# KiCad board teensy_arena_12-12.kicad_pcb
title: 12-12 Teensy G4.1 Arena Modular LED Display; date: 2024-10-08; rev: v0.2.1; company: IORodeo for Reiserlab @ Janelia
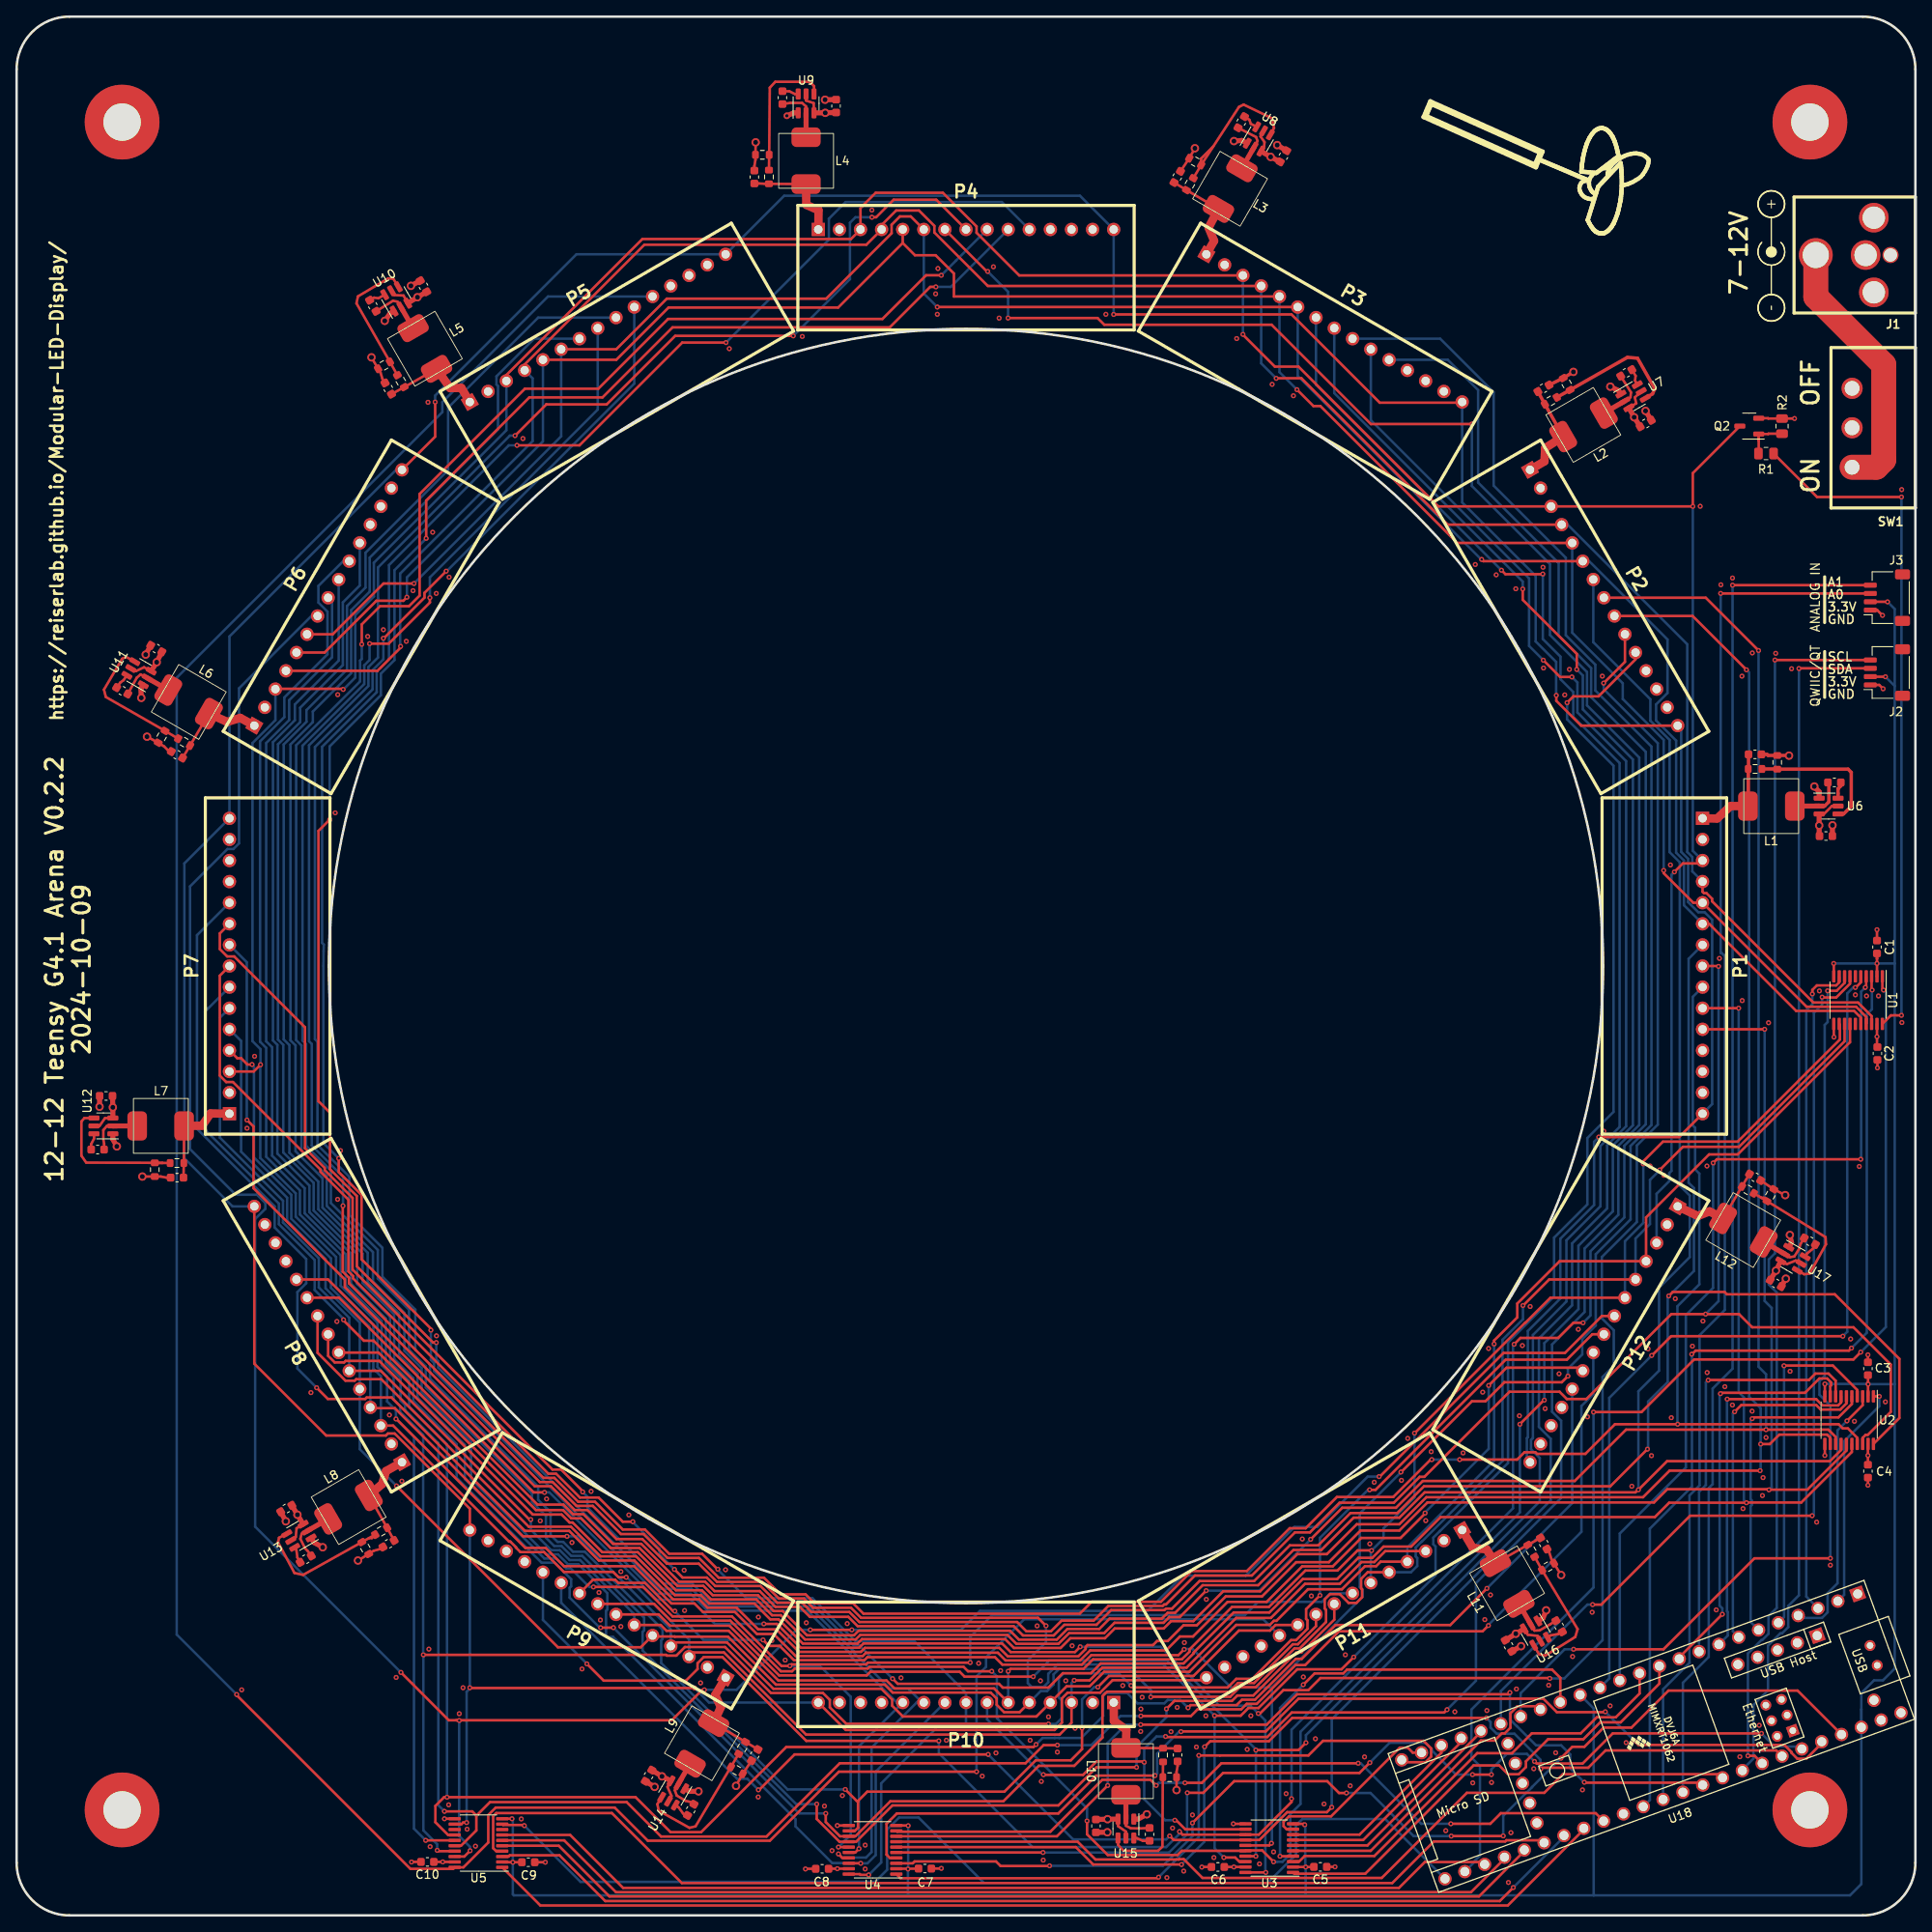
[diagram p0: board, top side]
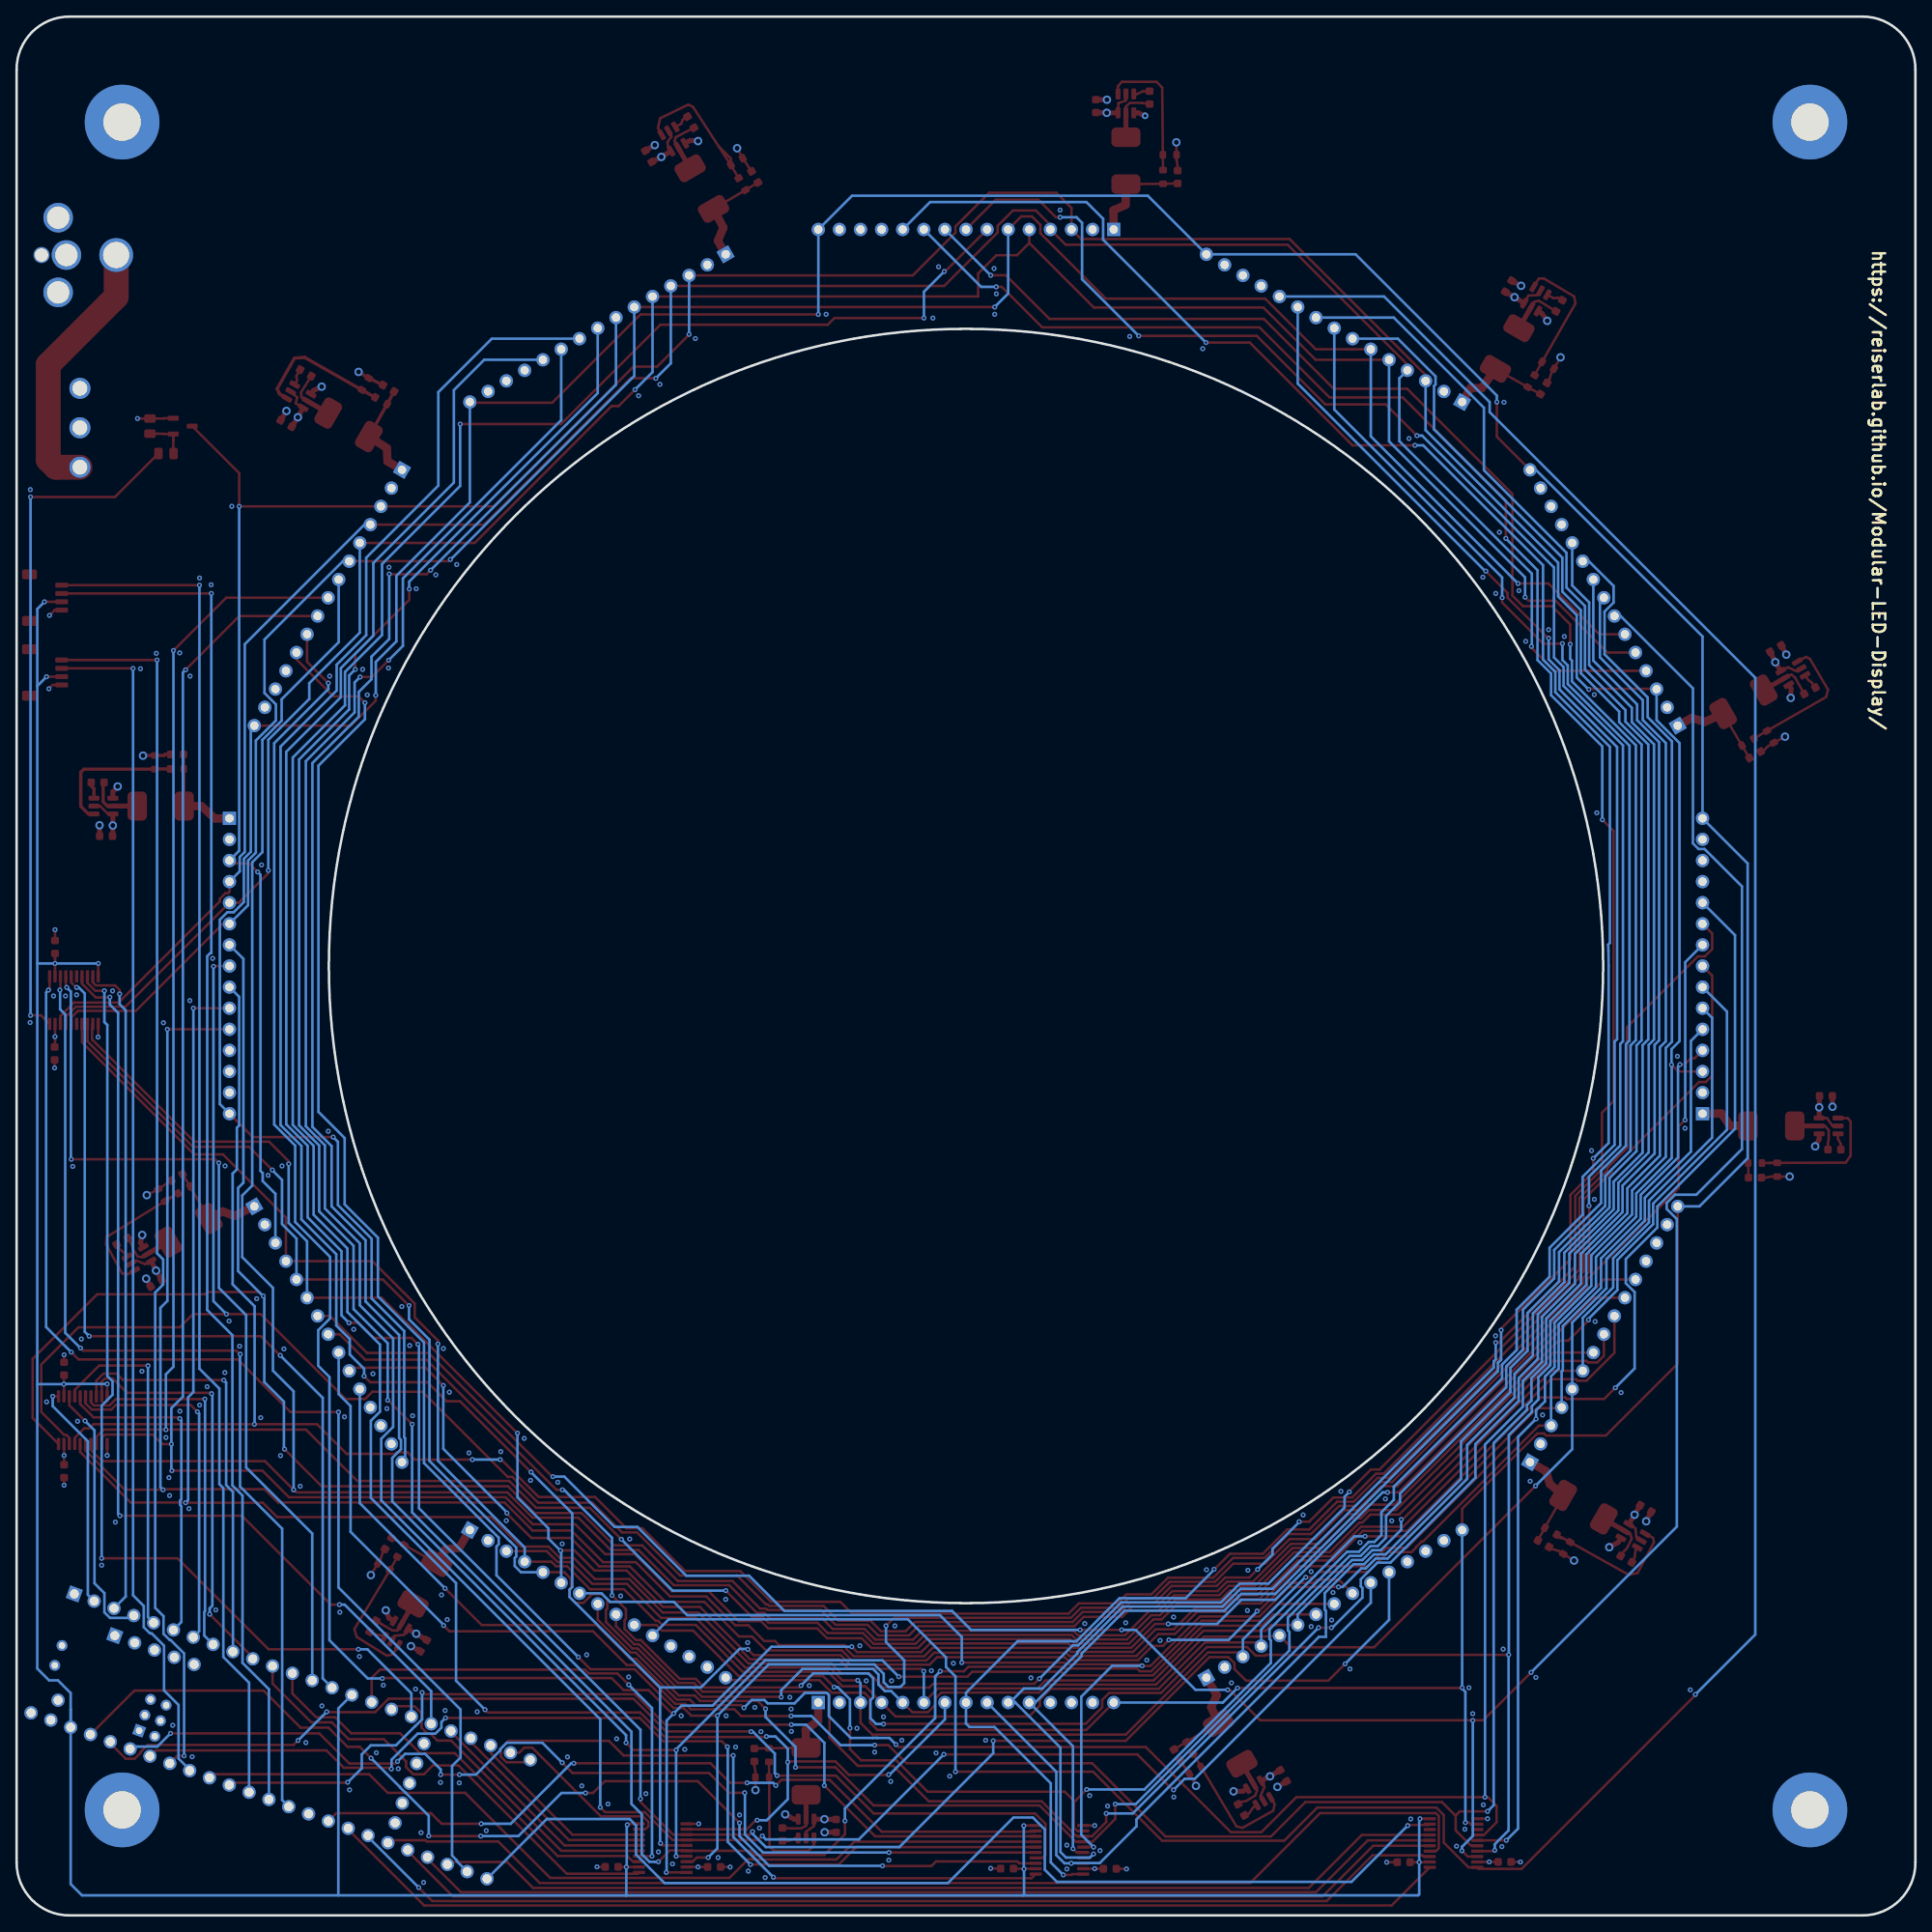
[diagram p1: board, bottom side, seen from below]

Outline 228.6 x 228.6 mm; copper layers: Top, In1.Cu (plane), In2.Cu (plane), In3.Cu (plane), In4.Cu (plane), Bottom. Coordinates in mm from the lower left corner of the outline.
Outline path: circle c114.3,114.3 r76.71 ; 0,222.25 0,6.35 arc(1.86,1.86) 6.35,0 222.25,0 arc(226.74,1.86) 228.6,6.35 228.6,222.25 arc(226.74,226.74) 222.25,228.6 6.35,228.6 arc(1.86,226.74) 0,222.25
Stack: Top 0.035mm / dielectric 0.1mm FR4 er 4.5 / In1.Cu 0.035mm / dielectric 0.535mm FR4 er 4.5 / In2.Cu 0.035mm / dielectric 0.1mm FR4 er 4.5 / In3.Cu 0.035mm / dielectric 0.535mm FR4 er 4.5 / In4.Cu 0.035mm / dielectric 0.1mm FR4 er 4.5 / Bottom 0.035mm

## Placement (name value [footprint] x y rotation side)
C1  0.1uF  [C_0603_1608Metric]  223.98 116.59 90 top
C2  0.1uF  [C_0603_1608Metric]  224.03 103.77 270 top
C3  0.1uF  [C_0603_1608Metric]  222.88 65.82 90 top
C4  0.1uF  [C_0603_1608Metric]  222.88 53.48 270 top
C5  0.1uF  [C_0603_1608Metric]  156.96 5.84 0 top
C6  0.1uF  [C_0603_1608Metric]  144.62 5.83 180 top
C7  0.1uF  [C_0603_1608Metric]  109.36 5.64 0 top
C8  0.1uF  [C_0603_1608Metric]  96.98 5.61 180 top
C9  0.1uF  [C_0603_1608Metric]  61.61 6.4 0 top
C10  0.1uF  [C_0603_1608Metric]  49.46 6.44 180 top
C11  10uF  [C_0603_1608Metric]  217.83 129.95 0 top
C12  100nF  [C_0603_1608Metric]  218.85 136.4 180 top
C13  22uF  [C_0603_1608Metric]  209.28 139.78 180 top
C14  10uF  [C_0603_1608Metric]  196.14 179.62 30 top
C15  100nF  [C_0603_1608Metric]  193.79 185.71 210 top
C16  22uF  [C_0603_1608Metric]  183.82 183.86 210 top
C17  10uF  [C_0603_1608Metric]  152.51 211.78 60 top
C18  100nF  [C_0603_1608Metric]  147.44 215.89 240 top
C19  22uF  [C_0603_1608Metric]  139.73 209.3 240 top
C20  10uF  [C_0603_1608Metric]  98.65 217.83 90 top
C21  100nF  [C_0603_1608Metric]  92.2 218.85 270 top
C22  22uF  [C_0603_1608Metric]  88.82 209.28 270 top
C23  10uF  [C_0603_1608Metric]  48.98 196.14 120 top
C24  100nF  [C_0603_1608Metric]  42.89 193.79 300 top
C25  22uF  [C_0603_1608Metric]  44.74 183.82 300 top
C26  10uF  [C_0603_1608Metric]  16.82 152.52 150 top
C27  100nF  [C_0603_1608Metric]  12.71 147.44 330 top
C28  22uF  [C_0603_1608Metric]  19.3 139.73 330 top
C29  10uF  [C_0603_1608Metric]  10.77 98.65 180 top
C30  100nF  [C_0603_1608Metric]  9.75 92.2 0 top
C31  22uF  [C_0603_1608Metric]  19.32 88.82 0 top
C32  10uF  [C_0603_1608Metric]  32.46 48.98 210 top
C33  100nF  [C_0603_1608Metric]  34.81 42.89 30 top
C34  22uF  [C_0603_1608Metric]  44.78 44.74 30 top
C35  10uF  [C_0603_1608Metric]  76.09 16.82 240 top
C36  100nF  [C_0603_1608Metric]  81.16 12.71 60 top
C37  22uF  [C_0603_1608Metric]  88.87 19.3 60 top
C38  10uF  [C_0603_1608Metric]  129.95 10.77 270 top
C39  100nF  [C_0603_1608Metric]  136.4 9.75 90 top
C40  22uF  [C_0603_1608Metric]  139.78 19.32 90 top
C41  10uF  [C_0603_1608Metric]  179.62 32.46 300 top
C42  100nF  [C_0603_1608Metric]  185.71 34.81 120 top
C43  22uF  [C_0603_1608Metric]  183.86 44.78 120 top
C44  10uF  [C_0603_1608Metric]  211.78 76.09 330 top
C45  100nF  [C_0603_1608Metric]  215.89 81.16 150 top
C46  22uF  [C_0603_1608Metric]  209.3 88.87 150 top
H1  MountingHole_Pad  [MountingHole_4.5mm_Pad]  12.7 215.9 0 top  (not fitted)
H2  MountingHole_Pad  [MountingHole_4.5mm_Pad]  215.9 215.9 0 top  (not fitted)
H3  MountingHole_Pad  [MountingHole_4.5mm_Pad]  215.9 12.7 0 top  (not fitted)
H4  MountingHole_Pad  [MountingHole_4.5mm_Pad]  12.7 12.7 0 top  (not fitted)
J1  Barrel_Jack  [DCJACK_2PIN_HIGHCURRENT]  228.6 199.9 270 top
J2  Conn_01x04  [JST_SH_SM04B-SRSS-TB_1x04-1MP_P1.00mm_Horizontal]  225.18 149.64 90 top
J3  Conn_01x04  [JST_SH_SM04B-SRSS-TB_1x04-1MP_P1.00mm_Horizontal]  225.18 158.65 90 top
L1  3.3uH  [CYA0650_3P3UH]  211.23 133.55 180 top
L2  3.3uH  [CYA0650_3P3UH]  188.62 179.44 210 top
L3  3.3uH  [CYA0650_3P3UH]  146.09 207.87 240 top
L4  3.3uH  [CYA0650_3P3UH]  95.05 211.23 270 top
L5  3.3uH  [CYA0650_3P3UH]  49.16 188.62 300 top
L6  3.3uH  [CYA0650_3P3UH]  20.73 146.09 330 top
L7  3.3uH  [CYA0650_3P3UH]  17.37 95.05 0 top
L8  3.3uH  [CYA0650_3P3UH]  39.98 49.16 30 top
L9  3.3uH  [CYA0650_3P3UH]  82.51 20.73 60 top
L10  3.3uH  [CYA0650_3P3UH]  133.55 17.37 90 top
L11  3.3uH  [CYA0650_3P3UH]  179.44 39.98 120 top
L12  3.3uH  [CYA0650_3P3UH]  207.87 82.51 150 top
P1  CONN15  [HEADER_TOP]  202.97 114.3 270 top
P2  CONN15  [HEADER_TOP]  191.09 158.64 300 top
P3  CONN15  [HEADER_TOP]  158.64 191.09 330 top
P4  CONN15  [HEADER_TOP]  114.3 202.97 0 top
P5  CONN15  [HEADER_TOP]  69.96 191.09 30 top
P6  CONN15  [HEADER_TOP]  37.51 158.64 60 top
P7  CONN15  [HEADER_TOP]  25.63 114.3 90 top
P8  CONN15  [HEADER_TOP]  37.51 69.96 120 top
P9  CONN15  [HEADER_TOP]  69.96 37.51 150 top
P10  CONN15  [HEADER_TOP]  114.3 25.63 180 top
P11  CONN15  [HEADER_TOP]  158.64 37.51 210 top
P12  CONN15  [HEADER_TOP]  191.09 69.96 240 top
Q2  MOSFET_NCHAN  [SOT-23-3]  208.6 179.3 180 top
R1  200  [R_0805_2012Metric]  210.61 176 0 top
R2  20k  [R_0805_2012Metric]  212.54 179.3 270 top
R3  56.2k  [R_0603_1608Metric]  209.3 138.02 0 top
R4  10k  [R_0603_1608Metric]  211.96 138.82 90 top
R5  56.2k  [R_0603_1608Metric]  184.71 182.34 30 top
R6  10k  [R_0603_1608Metric]  186.62 184.37 120 top
R7  56.2k  [R_0603_1608Metric]  141.25 208.43 60 top
R8  10k  [R_0603_1608Metric]  141.89 211.14 150 top
R9  56.2k  [R_0603_1608Metric]  90.58 209.3 90 top
R10  10k  [R_0603_1608Metric]  89.78 211.96 180 top
R11  56.2k  [R_0603_1608Metric]  46.26 184.71 120 top
R12  10k  [R_0603_1608Metric]  44.23 186.62 210 top
R13  56.2k  [R_0603_1608Metric]  20.17 141.25 150 top
R14  10k  [R_0603_1608Metric]  17.46 141.89 240 top
R15  56.2k  [R_0603_1608Metric]  19.3 90.58 180 top
R16  10k  [R_0603_1608Metric]  16.64 89.78 270 top
R17  56.2k  [R_0603_1608Metric]  43.89 46.26 210 top
R18  10k  [R_0603_1608Metric]  41.98 44.23 300 top
R19  56.2k  [R_0603_1608Metric]  87.35 20.17 240 top
R20  10k  [R_0603_1608Metric]  86.71 17.46 330 top
R21  56.2k  [R_0603_1608Metric]  138.02 19.3 270 top
R22  10k  [R_0603_1608Metric]  138.82 16.64 0 top
R23  56.2k  [R_0603_1608Metric]  182.34 43.89 300 top
R24  10k  [R_0603_1608Metric]  184.37 41.98 30 top
R25  56.2k  [R_0603_1608Metric]  208.43 87.35 330 top
R26  10k  [R_0603_1608Metric]  211.14 86.71 60 top
SW1  SW_SPDT  [slide_switch]  223.52 179.1 90 top
U1  TXB0108PW  [TSSOP-20_4.4x6.5mm_P0.65mm]  221.7 110.19 270 top
U2  TXB0108PW  [TSSOP-20_4.4x6.5mm_P0.65mm]  220.63 59.62 270 top
U3  TXB0108PW  [TSSOP-20_4.4x6.5mm_P0.65mm]  150.81 8.1 180 top
U4  TXB0108PW  [TSSOP-20_4.4x6.5mm_P0.65mm]  103.05 7.9 180 top
U5  TXB0108PW  [TSSOP-20_4.4x6.5mm_P0.65mm]  55.61 8.71 180 top
U6  TPS564201DDC  [SOT-23-6]  218.15 133.55 0 top
U7  TPS564201DDC  [SOT-23-6]  194.61 182.9 30 top
U8  TPS564201DDC  [SOT-23-6]  149.55 213.86 60 top
U9  TPS564201DDC  [SOT-23-6]  95.05 218.15 90 top
U10  TPS564201DDC  [SOT-23-6]  45.7 194.61 120 top
U11  TPS564201DDC  [SOT-23-6]  14.74 149.55 150 top
U12  TPS564201DDC  [SOT-23-6]  10.45 95.05 180 top
U13  TPS564201DDC  [SOT-23-6]  33.99 45.7 210 top
U14  TPS564201DDC  [SOT-23-6]  79.05 14.74 240 top
U15  TPS564201DDC  [SOT-23-6]  133.55 10.45 270 top
U16  TPS564201DDC  [SOT-23-6]  182.9 33.99 300 top
U17  TPS564201DDC  [SOT-23-6]  213.86 79.05 330 top
U18  Teensy4.1  [Teensy41]  196.81 21.55 200 top  (not fitted)

## Library data of the parts
C1-C10 C12 C15 C18 C21 C24 C27 C30 C33 C36 C39 C42 C45 = -: Datasheet: https://datasheet.octopart.com/CL10B104KB8NNNC-Samsung-datasheet-165517828.pdf; DigiKey PN: 1276-1000-2-ND; LCSC PN: C1591; MPN: CL10B104KB8NNNC; ki_fp_filters: C_*
C11 C14 C17 C20 C23 C26 C29 C32 C35 C38 C41 C44 = -: Datasheet: https://datasheet.octopart.com/CL10A106MA8NRNC-Samsung-Electro-Mechanics-datasheet-137745063.pdf; DigiKey PN: 1276-1869-2-ND; LCSC PN: C96446; MPN: CL10A106MA8NRNC; ki_fp_filters: C_*
C13 C16 C19 C22 C25 C28 C31 C34 C37 C40 C43 C46 = -: Datasheet: https://datasheet.octopart.com/CL10A226MO7JZNC-Samsung-Electro-Mechanics-datasheet-141347085.pdf; DigiKey PN: 1276-7076-2-ND; LCSC PN: C2762594; MPN: CL10A226MO7JZNC; ki_fp_filters: C_*
H1-H4 = -: ki_fp_filters: MountingHole*Pad*
J1 = -: Datasheet: https://datasheet.octopart.com/PJ-063AH-Same-Sky-datasheet-181917378.pdf; DigiKey PN: CP-063AH-ND; LCSC PN: C2928097; MPN: PJ-063AH; ki_fp_filters: BarrelJack*
J2 J3 = -: Datasheet: https://www.lcsc.com/datasheet/lcsc_datasheet_2304140030_BOOMELE-Boom-Precision-Elec-1-0T-4P_C145956.pdf; LCSC PN: C145956; MPN: 1.0T-4P; ki_fp_filters: Connector*:*_1x??_*
L1-L12 = -: Datasheet: https://www.lcsc.com/datasheet/lcsc_datasheet_2402201427_SHOU-HAN-CYA0630-3-3UH_C5189747.pdf; LCSC PN: C5189747; MPN: CYA0630-3.3UH; ki_fp_filters: Choke_* *Coil* Inductor_* L_*
P1-P12 = -: Datasheet: https://mm.digikey.com/Volume0/opasdata/d220001/medias/docus/937/Female_Headers.100_DS.pdf; DigiKey PN: S7048-ND; LCSC PN: C5210739; MPN: PPPC151LFBN-RC
Q2 = -: Datasheet: https://www.lcsc.com/datasheet/lcsc_datasheet_2304140030_MATSUKI-ME2306D_C165220.pdf; LCSC PN: C165220; MPN: ME2306D
R1 = -: Datasheet: https://datasheet.octopart.com/0805W8F2000T5E-Royal-Ohm-datasheet-165785611.pdf; LCSC PN: C17540; MPN: 0805W8F2000T5E; ki_fp_filters: R_*
R2 = -: Datasheet: https://datasheet.octopart.com/0805W8F2002T5E-Royal-Ohm-datasheet-165785611.pdf; LCSC PN: C4328; MPN: 0805W8F2002T5E; ki_fp_filters: R_*
R3 R5 R7 R9 R11 R13 R15 R17 R19 R21 R23 R25 = -: Datasheet: https://datasheet.octopart.com/RT0603BRD0756K2L-Yageo-datasheet-96443642.pdf; DigiKey PN: YAG4575TR-ND; LCSC PN: C705784; MPN: RT0603BRD0756K2L; ki_fp_filters: R_*
R4 R6 R8 R10 R12 R14 R16 R18 R20 R22 R24 R26 = -: Datasheet: https://datasheet.octopart.com/RT0603BRD0710KL-Yageo-datasheet-96443642.pdf; DigiKey PN: YAG1236TR-ND; LCSC PN: C95204; MPN: RT0603BRD0710KL; ki_fp_filters: R_*
SW1 = -: Datasheet: https://datasheet.octopart.com/L102021ML04Q-C%26K-Components-datasheet-62111167.pdf; DigiKey PN: CKC5102-ND; LCSC PN: C2798743; MPN: L102021ML04Q
U1-U5 = -: Datasheet: https://www.ti.com/lit/gpn/txb0108; DigiKey PN: 296-21527-2-ND; LCSC PN: C53406; MPN: TXB0108PWR
U6-U17 = -: Datasheet: https://www.ti.com/lit/gpn/tps564201; DigiKey PN: 296-47373-2-ND; LCSC PN: C464812; MPN: TPS564201DDCR

## Footprints (pads in the part's own frame, mm; a bottom-side part is the same pattern mirrored in y, then rotated)
C_0603_1608Metric
  rrect 0.9x0.95 smd: 1(-0.775,0) 2(0.775,0)
CYA0650_3P3UH
  rrect 2.35x3.5 smd: 1(-2.85,0) 2(2.8,0)
DCJACK_2PIN_HIGHCURRENT
  round 3.556 hole 2.692: (-4.496,-5.004) (4.496,-5.004) 2(0,-5.994)
  round 1.93 hole 1.6: (0,-2.997)
  round 4.064 hole 3.15: 1(0,-11.989)
HEADER_TOP
  rect 1.6x1.6 hole 1.016: 1(-17.78,0)
  round 1.6 hole 1.016: 2(-15.24,0) 3(-12.7,0) 4(-10.16,0) 5(-7.62,0) 6(-5.08,0) 7(-2.54,0) 8(0,0) 9(2.54,0) 10(5.08,0) 11(7.62,0) 12(10.16,0) 13(12.7,0) 14(15.24,0) 15(17.78,0)
JST_SH_SM04B-SRSS-TB_1x04-1MP_P1.00mm_Horizontal
  rrect 0.6x1.55 smd: 1(-1.5,2) 2(-0.5,2) 3(0.5,2) 4(1.5,2)
  rrect 1.2x1.8 smd: MP(-2.8,-1.875) MP(2.8,-1.875)
MountingHole_4.5mm_Pad
  round 9 hole 4.5: 1(0,0)
R_0603_1608Metric
  rrect 0.8x0.95 smd: 1(-0.825,0) 2(0.825,0)
R_0805_2012Metric
  rrect 1.025x1.4 smd: 1(-0.912,0) 2(0.912,0)
slide_switch
  round 2.54 hole 1.778: 1(-4.75,2.54) 2(0,2.54) 3(4.75,2.54)
SOT-23-3
  rrect 1.325x0.6 smd: 1(-1.137,0.95) 2(-1.137,-0.95) 3(1.137,0)
SOT-23-6
  rrect 1.325x0.6 smd: 1(-1.137,0.95) 2(-1.137,0) 3(-1.137,-0.95) 4(1.137,-0.95) 5(1.137,0) 6(1.137,0.95)
Teensy41
  rect 1.6x1.6 hole 1.1: 1(-29.21,-7.62) 55(-22.911,-4.569)
  round 1.6 hole 1.1: 2(-26.67,-7.62) 3(-24.13,-7.62) 4(-21.59,-7.62) 5(-19.05,-7.62) 6(-16.51,-7.62) 7(-13.97,-7.62) 8(-11.43,-7.62) 9(-8.89,-7.62) 10(-6.35,-7.62) 11(-3.81,-7.62) 12(-1.27,-7.62) 13(1.27,-7.62) 14(3.81,-7.62) 15(6.35,-7.62) 16(8.89,-7.62) 17(11.43,-7.62) 18(13.97,-7.62) 19(16.51,-7.62) 20(19.05,-7.62) 21(21.59,-7.62) 22(24.13,-7.62) 23(26.67,-7.62) 24(29.21,-7.62) 25(29.21,7.62) 26(26.67,7.62) 27(24.13,7.62) 28(21.59,7.62) 29(19.05,7.62) 30(16.51,7.62) 31(13.97,7.62) 32(11.43,7.62) 33(8.89,7.62) 34(6.35,7.62) 35(3.81,7.62) 36(1.27,7.62) 37(-1.27,7.62) 38(-3.81,7.62) 39(-6.35,7.62) 40(-8.89,7.62) 41(-11.43,7.62) 42(-13.97,7.62) 43(-16.51,7.62) 44(-19.05,7.62) 45(-21.59,7.62) 46(-24.13,7.62) 47(-26.67,7.62) 48(-29.21,7.62) 49(-26.67,5.08) 50(16.51,-5.08) 51(16.51,-2.54) 52(16.51,0) 53(16.51,2.54) 54(16.51,5.08) 56(-20.371,-4.569) 57(-17.831,-4.569) 58(-15.291,-4.569) 59(-12.751,-4.569)
  rect 1.3x1.3 hole 0.8: 60(-16.24,5.182)
  round 1.3 hole 0.8: 61(-16.24,3.182) 62(-16.24,1.182) 63(-14.24,1.182) 64(-14.24,3.182) 65(-14.24,5.182) 66(-28.48,1.27) 67(-28.48,-1.27)
TSSOP-20_4.4x6.5mm_P0.65mm
  rrect 1.475x0.4 smd: 1(-2.862,2.925) 2(-2.862,2.275) 3(-2.862,1.625) 4(-2.862,0.975) 5(-2.862,0.325) 6(-2.862,-0.325) 7(-2.862,-0.975) 8(-2.862,-1.625) 9(-2.862,-2.275) 10(-2.862,-2.925) 11(2.862,-2.925) 12(2.862,-2.275) 13(2.862,-1.625) 14(2.862,-0.975) 15(2.862,-0.325) 16(2.862,0.325) 17(2.862,0.975) 18(2.862,1.625) 19(2.862,2.275) 20(2.862,2.925)

## Nets
+3.3V: C1.1 C3.1 C5.1 C7.1 C9.1 J2.2 J3.2 U1.2 U1.10 U2.2 U2.10 U3.2 U3.10 U4.2 U4.10 U5.2 U5.10 U18.15 U18.46
+5V: C2.1 C4.1 C6.1 C8.1 C10.1 U1.19 U2.19 U3.19 U4.19 U5.19 U18.48 U18.49
GND: C1.2 C2.2 C3.2 C4.2 C5.2 C6.2 C7.2 C8.2 C9.2 C10.2 C11.2 C13.1 C14.2 C16.1 C17.2 C19.1 C20.2 C22.1 C23.2 C25.1 C26.2 C28.1 C29.2 C31.1 C32.2 C34.1 C35.2 C37.1 C38.2 C40.1 C41.2 C43.1 C44.2 C46.1 H1.1 H2.1 H3.1 H4.1 J1.2 J2.1 J3.1 P1.2 P2.2 P3.2 P4.2 P5.2 P6.2 P7.2 P8.2 P9.2 P10.2 P11.2 P12.2 Q2.2 R2.1 R4.2 R6.2 R8.2 R10.2 R12.2 R14.2 R16.2 R18.2 R20.2 R22.2 R24.2 R26.2 SW1.3 U1.11 U2.11 U3.11 U4.11 U5.11 U6.1 U7.1 U8.1 U9.1 U10.1 U11.1 U12.1 U13.1 U14.1 U15.1 U16.1 U17.1 U18.1 U18.34 U18.47
VCC: C11.1 C14.1 C17.1 C20.1 C23.1 C26.1 C29.1 C32.1 C35.1 C38.1 C41.1 C44.1 SW1.2 U6.3 U6.5 U7.3 U7.5 U8.3 U8.5 U9.3 U9.5 U10.3 U10.5 U11.3 U11.5 U12.3 U12.5 U13.3 U13.5 U14.3 U14.5 U15.3 U15.5 U16.3 U16.5 U17.3 U17.5
/Level Shifters/PAN3V.CS_00: U2.1 U18.2
/Level Shifters/PAN3V.CS_01: U2.3 U18.4
/Level Shifters/PAN3V.CS_02: U2.4 U18.5
/Level Shifters/PAN3V.CS_03: U2.5 U18.6
/Level Shifters/PAN3V.CS_04: U2.6 U18.7
/Level Shifters/PAN3V.CS_05: U2.7 U18.8
/Level Shifters/PAN3V.CS_06: U2.8 U18.9
/Level Shifters/PAN3V.CS_07: U2.9 U18.10
/Level Shifters/PAN3V.CS_08: U3.1 U18.11
/Level Shifters/PAN3V.CS_09: U3.3 U18.12
/Level Shifters/PAN3V.CS_10: U3.4 U18.16
/Level Shifters/PAN3V.CS_11: U3.5 U18.17
/Level Shifters/PAN3V.CS_12: U3.6 U18.20
/Level Shifters/PAN3V.CS_13: U3.7 U18.21
/Level Shifters/PAN3V.CS_14: U3.8 U18.22
/Level Shifters/PAN3V.CS_15: U3.9 U18.23
/Level Shifters/PAN3V.CS_16: U4.1 U18.24
/Level Shifters/PAN3V.CS_17: U4.3 U18.45
/Level Shifters/PAN3V.CS_18: U4.4 U18.44
/Level Shifters/PAN3V.CS_19: U4.5 U18.43
/Level Shifters/PAN3V.CS_20: U4.6 U18.42
/Level Shifters/PAN3V.CS_21: U4.7 U18.39
/Level Shifters/PAN3V.CS_22: U4.8 U18.38
/Level Shifters/PAN3V.CS_23: U4.9 U18.33
/Level Shifters/PAN3V.CS_24: U5.1 U18.32
/Level Shifters/PAN3V.CS_25: U5.3 U18.31
/Level Shifters/PAN3V.CS_26: U5.4 U18.30
/Level Shifters/PAN3V.CS_27: U5.5 U18.29
/Level Shifters/PAN3V.CS_28: U5.6 U18.28
/Level Shifters/PAN3V.CS_29: U5.7 U18.27
/Level Shifters/PAN3V.EXT_INT: U5.9 U18.25
/Level Shifters/PAN3V.MISO_0: U1.5 U18.14
/Level Shifters/PAN3V.MISO_1: U1.9 U18.3
/Level Shifters/PAN3V.MOSI_0: U1.4 U18.13
/Level Shifters/PAN3V.MOSI_1: U1.8 U18.18
/Level Shifters/PAN3V.RESET: U1.1 U18.26
/Level Shifters/PAN3V.SCK_0: U1.3 U18.35
/Level Shifters/PAN3V.SCK_1: U1.7 U18.19
/Level Shifters/PAN5V.CS_00: P1.7 P7.7 U2.20
/Level Shifters/PAN5V.CS_01: P1.8 P7.8 U2.18
/Level Shifters/PAN5V.CS_02: P1.9 P7.9 U2.17
/Level Shifters/PAN5V.CS_03: P1.10 P7.10 U2.16
/Level Shifters/PAN5V.CS_04: P1.11 P7.11 U2.15
/Level Shifters/PAN5V.CS_05: P2.7 P8.7 U2.14
/Level Shifters/PAN5V.CS_06: P2.8 P8.8 U2.13
/Level Shifters/PAN5V.CS_07: P2.9 P8.9 U2.12
/Level Shifters/PAN5V.CS_08: P2.10 P8.10 U3.20
/Level Shifters/PAN5V.CS_09: P2.11 P8.11 U3.18
/Level Shifters/PAN5V.CS_10: P3.7 P9.7 U3.17
/Level Shifters/PAN5V.CS_11: P3.8 P9.8 U3.16
/Level Shifters/PAN5V.CS_12: P3.9 P9.9 U3.15
/Level Shifters/PAN5V.CS_13: P3.10 P9.10 U3.14
/Level Shifters/PAN5V.CS_14: P3.11 P9.11 U3.13
/Level Shifters/PAN5V.CS_15: P4.7 P10.7 U3.12
/Level Shifters/PAN5V.CS_16: P4.8 P10.8 U4.20
/Level Shifters/PAN5V.CS_17: P4.9 P10.9 U4.18
/Level Shifters/PAN5V.CS_18: P4.10 P10.10 U4.17
/Level Shifters/PAN5V.CS_19: P4.11 P10.11 U4.16
/Level Shifters/PAN5V.CS_20: P5.7 P11.7 U4.15
/Level Shifters/PAN5V.CS_21: P5.8 P11.8 U4.14
/Level Shifters/PAN5V.CS_22: P5.9 P11.9 U4.13
/Level Shifters/PAN5V.CS_23: P5.10 P11.10 U4.12
/Level Shifters/PAN5V.CS_24: P5.11 P11.11 U5.20
/Level Shifters/PAN5V.CS_25: P6.7 P12.7 U5.18
/Level Shifters/PAN5V.CS_26: P6.8 P12.8 U5.17
/Level Shifters/PAN5V.CS_27: P6.9 P12.9 U5.16
/Level Shifters/PAN5V.CS_28: P6.10 P12.10 U5.15
/Level Shifters/PAN5V.CS_29: P6.11 P12.11 U5.14
/Level Shifters/PAN5V.EXT_INT: P1.15 P2.15 P3.15 P4.15 P5.15 P6.15 P7.15 P8.15 P9.15 P10.15 P11.15 P12.15 U5.12
/Level Shifters/PAN5V.MISO_0: P1.6 P2.6 P3.6 P4.6 P5.6 P6.6 U1.16
/Level Shifters/PAN5V.MISO_1: P7.6 P8.6 P9.6 P10.6 P11.6 P12.6 U1.12
/Level Shifters/PAN5V.MOSI_0: P1.5 P2.5 P3.5 P4.5 P5.5 P6.5 U1.17
/Level Shifters/PAN5V.MOSI_1: P7.5 P8.5 P9.5 P10.5 P11.5 P12.5 U1.13
/Level Shifters/PAN5V.RESET: R1.2 U1.20
/Level Shifters/PAN5V.SCK_0: P1.4 P2.4 P3.4 P4.4 P5.4 P6.4 U1.18
/Level Shifters/PAN5V.SCK_1: P7.4 P8.4 P9.4 P10.4 P11.4 P12.4 U1.14
/Panel Headers/POW.5V_HDR_1: C13.2 L1.2 P1.1 R3.1
/Panel Headers/POW.5V_HDR_2: C16.2 L2.2 P2.1 R5.1
/Panel Headers/POW.5V_HDR_3: C19.2 L3.2 P3.1 R7.1
/Panel Headers/POW.5V_HDR_4: C22.2 L4.2 P4.1 R9.1
/Panel Headers/POW.5V_HDR_5: C25.2 L5.2 P5.1 R11.1
/Panel Headers/POW.5V_HDR_6: C28.2 L6.2 P6.1 R13.1
/Panel Headers/POW.5V_HDR_7: C31.2 L7.2 P7.1 R15.1
/Panel Headers/POW.5V_HDR_8: C34.2 L8.2 P8.1 R17.1
/Panel Headers/POW.5V_HDR_9: C37.2 L9.2 P9.1 R19.1
/Panel Headers/POW.5V_HDR_10: C40.2 L10.2 P10.1 R21.1
/Panel Headers/POW.5V_HDR_11: C43.2 L11.2 P11.1 R23.1
/Panel Headers/POW.5V_HDR_12: C46.2 L12.2 P12.1 R25.1
/Panel Headers/RESET: P1.3 P2.3 P3.3 P4.3 P5.3 P6.3 P7.3 P8.3 P9.3 P10.3 P11.3 P12.3 Q2.3